# KiCad board mse-50-idc-panel.kicad_pcb (continued)
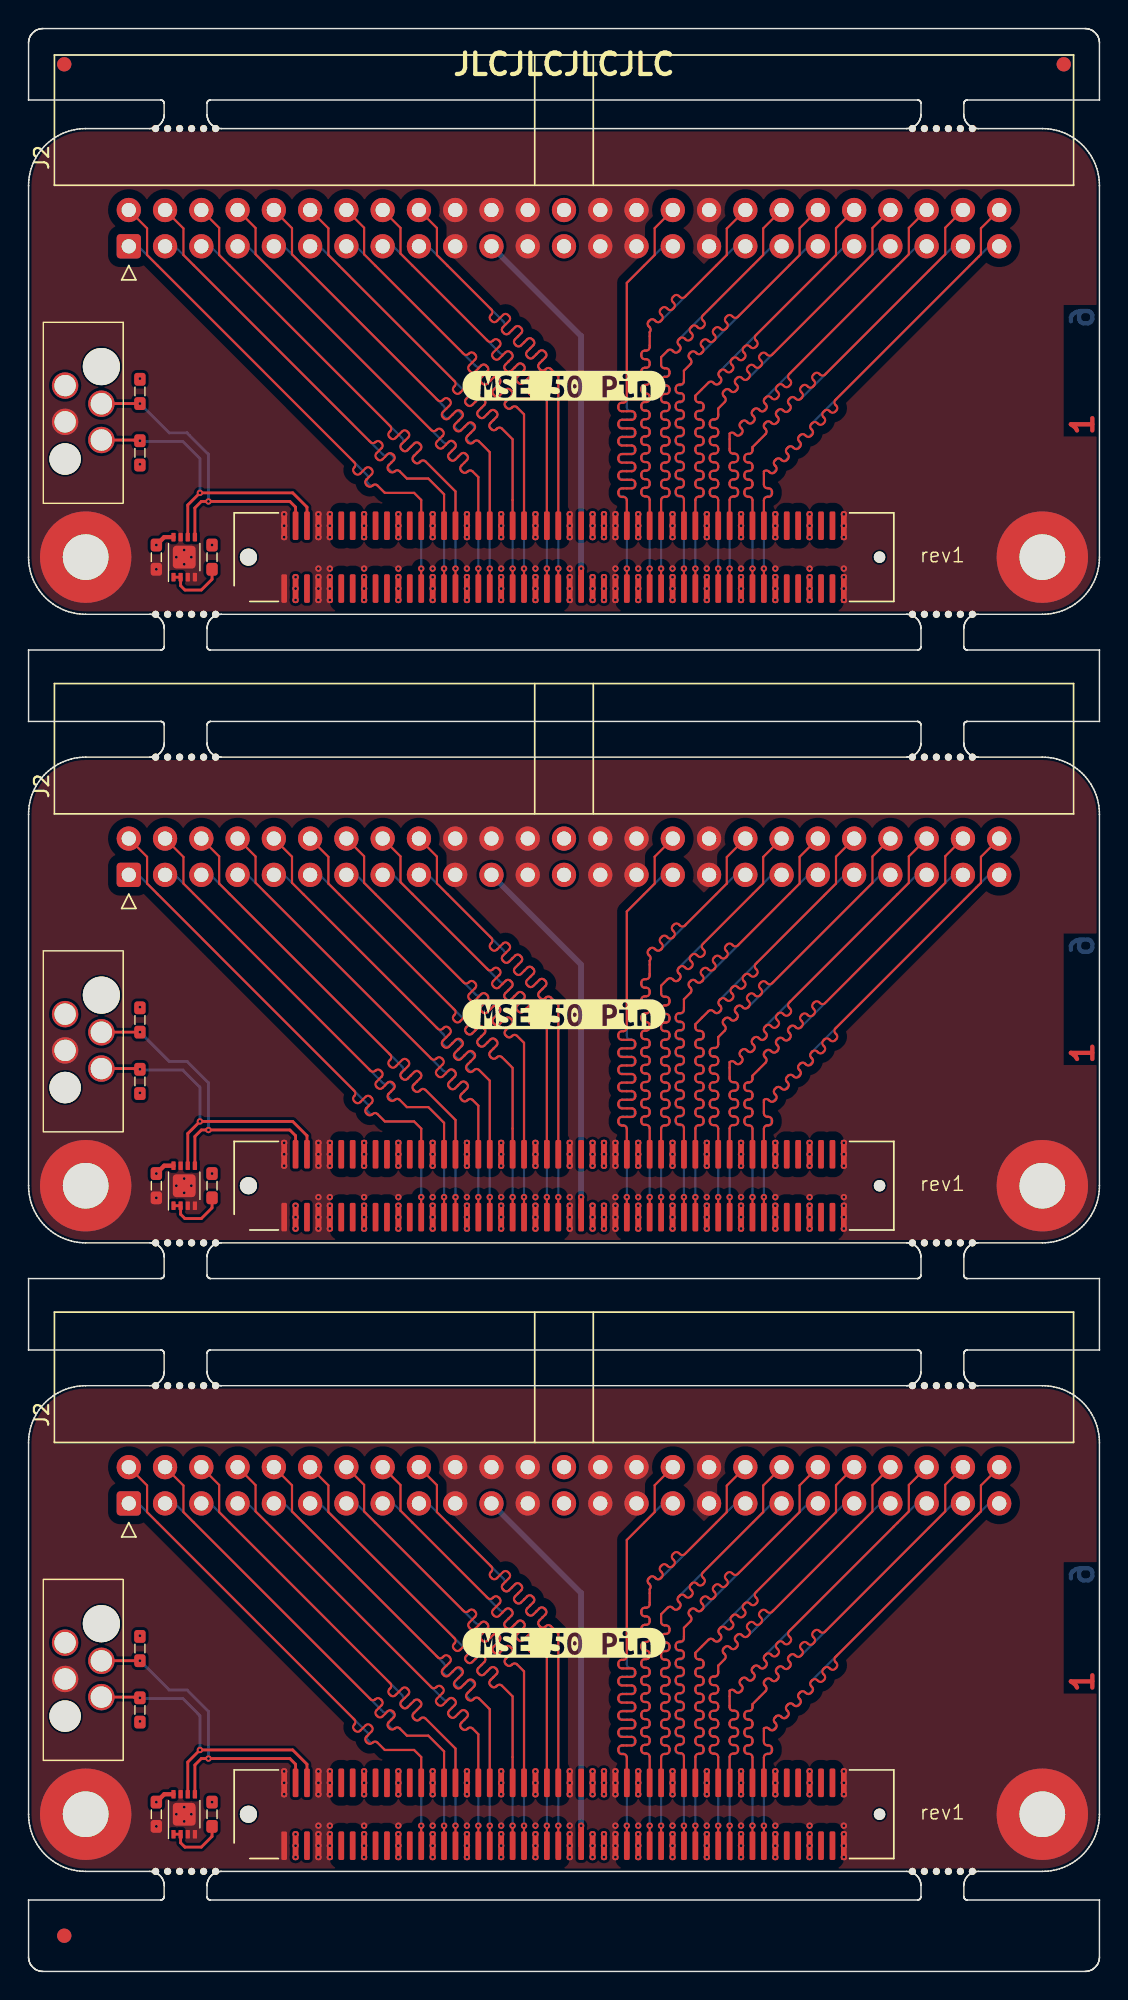
[diagram p0: board, top side]
## Routing (per net, layer and track width the routed paths; a pad name or vN(x,y) marks a point on that pad's centre or on a via; arc(x,y) is an arc through that point) (continued)
Board_0-/CON.RST+: length 34.4
  Top w0.151: J1#3.71 v1(45.9,98.2)
  Bottom w0.151: v1(45.9,98.2) 45.9,103 arc(45.83,103.17) 45.66,103.24 45.55,103.24 arc(45.38,103.31) 45.31,103.48 45.31,103.6 arc(45.38,103.77) 45.55,103.84 45.66,103.84 arc(45.83,103.91) 45.9,104.08 45.9,104.2 arc(45.83,104.37) 45.66,104.44 45.55,104.44 arc(45.38,104.51) 45.31,104.68 45.31,104.8 arc(45.38,104.97) 45.55,105.04 45.66,105.04 arc(45.83,105.11) 45.9,105.28 45.9,105.4 arc(45.83,105.57) 45.66,105.64 45.55,105.64 arc(45.38,105.71) 45.31,105.88 45.31,106 arc(45.38,106.17) 45.55,106.24 45.66,106.24 arc(45.83,106.31) 45.9,106.48 45.9,106.6 arc(45.83,106.77) 45.66,106.84 45.55,106.84 arc(45.38,106.91) 45.31,107.08 45.31,107.2 arc(45.38,107.37) 45.55,107.44 45.66,107.44 arc(45.83,107.51) 45.9,107.68 45.9,107.8 arc(45.83,107.97) 45.66,108.04 45.55,108.04 arc(45.38,108.11) 45.31,108.28 45.31,108.4 arc(45.38,108.57) 45.55,108.64 45.66,108.64 arc(45.83,108.71) 45.9,108.88 45.9,109 arc(45.83,109.17) 45.66,109.24 45.55,109.24 arc(45.38,109.31) 45.31,109.48 45.31,109.6 arc(45.38,109.77) 45.55,109.84 45.66,109.84 arc(45.83,109.91) 45.9,110.08 45.9,110.2 arc(45.83,110.37) 45.66,110.44 45.55,110.44 arc(45.38,110.51) 45.31,110.68 45.31,110.8 arc(45.38,110.97) 45.55,111.04 45.66,111.04 arc(45.83,111.11) 45.9,111.28 45.9,112.05 46.36,112.51 arc(46.43,112.68) 46.36,112.85 46.28,112.93 arc(46.21,113.1) 46.28,113.27 46.36,113.36 arc(46.53,113.43) 46.7,113.36 46.78,113.28 arc(46.95,113.2) 47.12,113.28 47.21,113.36 54.61,120.76 J2#3.39
Board_0-/CON.RST-: length 34
  Top w0.151: J2#3.40 54,122.02 54,120.15 49.67,115.82 arc(49.5,115.75) 49.33,115.82 49.26,115.89 arc(49.09,115.96) 48.92,115.89 48.84,115.8 arc(48.77,115.63) 48.84,115.46 48.91,115.4 arc(48.98,115.23) 48.91,115.06 48.82,114.97 arc(48.65,114.9) 48.48,114.97 48.42,115.04 arc(48.25,115.11) 48.08,115.04 47.99,114.95 arc(47.92,114.78) 47.99,114.61 48.06,114.55 arc(48.13,114.38) 48.06,114.21 47.97,114.12 arc(47.8,114.05) 47.63,114.12 47.57,114.19 arc(47.4,114.26) 47.23,114.19 47.14,114.1 arc(47.07,113.93) 47.14,113.76 47.21,113.7 arc(47.28,113.53) 47.21,113.36 47.12,113.28 arc(46.95,113.2) 46.78,113.28 46.72,113.34 arc(46.55,113.41) 46.38,113.34 46.29,113.26 arc(46.22,113.09) 46.29,112.92 46.36,112.85 arc(46.43,112.68) 46.36,112.51 45.9,112.05 45.9,111.33 arc(45.83,111.16) 45.66,111.09 45.57,111.09 arc(45.4,111.01) 45.33,110.85 45.33,110.73 arc(45.4,110.56) 45.57,110.49 45.66,110.49 arc(45.83,110.41) 45.9,110.25 45.9,110.13 arc(45.83,109.96) 45.66,109.89 45.57,109.89 arc(45.4,109.81) 45.33,109.65 45.33,109.53 arc(45.4,109.36) 45.57,109.29 45.66,109.29 arc(45.83,109.21) 45.9,109.05 45.9,108.93 arc(45.83,108.76) 45.66,108.69 45.57,108.69 arc(45.4,108.61) 45.33,108.45 45.33,108.33 arc(45.4,108.16) 45.57,108.09 45.66,108.09 arc(45.83,108.01) 45.9,107.85 45.9,107.73 arc(45.83,107.56) 45.66,107.49 45.57,107.49 arc(45.4,107.41) 45.33,107.25 45.33,107.13 arc(45.4,106.96) 45.57,106.89 45.66,106.89 arc(45.83,106.81) 45.9,106.65 45.9,106.53 arc(45.83,106.36) 45.66,106.29 45.57,106.29 arc(45.4,106.21) 45.33,106.05 45.33,105.93 arc(45.4,105.76) 45.57,105.69 45.66,105.69 arc(45.83,105.61) 45.9,105.45 45.9,105.33 arc(45.83,105.16) 45.66,105.09 45.57,105.09 arc(45.4,105.01) 45.33,104.85 45.33,104.73 arc(45.4,104.56) 45.57,104.49 45.66,104.49 arc(45.83,104.41) 45.9,104.25 45.9,104.13 arc(45.83,103.96) 45.66,103.89 45.57,103.89 arc(45.4,103.81) 45.33,103.65 45.33,103.53 arc(45.4,103.36) 45.57,103.29 45.66,103.29 arc(45.83,103.21) 45.9,103.05 J1#3.72
Board_0-/CON.SEL+: length 34.4
  Top w0.151: J1#3.77 v1(48.3,98.2)
  Bottom w0.151: v1(48.3,98.2) 48.3,103 arc(48.23,103.17) 48.06,103.24 47.97,103.24 arc(47.8,103.31) 47.73,103.48 47.73,103.6 arc(47.8,103.77) 47.97,103.84 48.06,103.84 arc(48.23,103.91) 48.3,104.08 48.3,104.2 arc(48.23,104.37) 48.06,104.44 47.97,104.44 arc(47.8,104.51) 47.73,104.68 47.73,104.8 arc(47.8,104.97) 47.97,105.04 48.06,105.04 arc(48.23,105.11) 48.3,105.28 48.3,105.4 arc(48.23,105.57) 48.06,105.64 47.97,105.64 arc(47.8,105.71) 47.73,105.88 47.73,106 arc(47.8,106.17) 47.97,106.24 48.06,106.24 arc(48.23,106.31) 48.3,106.48 48.3,106.6 arc(48.23,106.77) 48.06,106.84 47.97,106.84 arc(47.8,106.91) 47.73,107.08 47.73,107.2 arc(47.8,107.37) 47.97,107.44 48.06,107.44 arc(48.23,107.51) 48.3,107.68 48.3,107.8 arc(48.23,107.97) 48.06,108.04 47.97,108.04 arc(47.8,108.11) 47.73,108.28 47.73,108.4 arc(47.8,108.57) 47.97,108.64 48.06,108.64 arc(48.23,108.71) 48.3,108.88 48.3,109.4 48.76,109.86 arc(48.83,110.03) 48.76,110.2 48.7,110.26 arc(48.63,110.43) 48.7,110.6 48.78,110.69 arc(48.95,110.76) 49.12,110.69 49.18,110.63 arc(49.35,110.55) 49.52,110.63 49.61,110.71 arc(49.68,110.88) 49.61,111.05 49.55,111.11 arc(49.48,111.28) 49.55,111.45 49.63,111.54 arc(49.8,111.61) 49.97,111.54 50.03,111.47 arc(50.2,111.4) 50.37,111.47 50.46,111.56 59.66,120.76 J2#3.43
Board_0-/CON.SEL-: length 34
  Top w0.151: J2#3.44 59.1,122.04 59.1,120.2 52.15,113.26 52.07,113.17 arc(51.9,113.1) 51.73,113.17 51.65,113.25 arc(51.48,113.32) 51.31,113.25 51.23,113.17 arc(51.16,113) 51.23,112.83 51.31,112.75 arc(51.38,112.58) 51.31,112.41 51.22,112.32 arc(51.05,112.25) 50.88,112.32 50.8,112.4 arc(50.63,112.47) 50.46,112.4 50.38,112.32 arc(50.31,112.15) 50.38,111.98 50.46,111.9 arc(50.53,111.73) 50.46,111.56 50.37,111.47 arc(50.2,111.4) 50.03,111.47 49.95,111.55 arc(49.78,111.62) 49.61,111.55 49.53,111.47 arc(49.46,111.3) 49.53,111.13 49.61,111.05 arc(49.68,110.88) 49.61,110.71 49.52,110.63 arc(49.35,110.55) 49.18,110.63 49.1,110.7 arc(48.94,110.77) 48.77,110.7 48.68,110.62 arc(48.61,110.45) 48.68,110.28 48.76,110.2 arc(48.83,110.03) 48.76,109.86 48.3,109.4 48.3,108.89 arc(48.23,108.72) 48.06,108.65 47.95,108.65 arc(47.78,108.57) 47.71,108.41 47.71,108.29 arc(47.78,108.12) 47.95,108.05 48.06,108.05 arc(48.23,107.97) 48.3,107.81 48.3,107.69 arc(48.23,107.52) 48.06,107.45 47.95,107.45 arc(47.78,107.37) 47.71,107.21 47.71,107.09 arc(47.78,106.92) 47.95,106.85 48.06,106.85 arc(48.23,106.77) 48.3,106.61 48.3,106.49 arc(48.23,106.32) 48.06,106.25 47.95,106.25 arc(47.78,106.17) 47.71,106.01 47.71,105.89 arc(47.78,105.72) 47.95,105.65 48.06,105.65 arc(48.23,105.57) 48.3,105.41 48.3,105.29 arc(48.23,105.12) 48.06,105.05 47.95,105.05 arc(47.78,104.97) 47.71,104.81 47.71,104.69 arc(47.78,104.52) 47.95,104.45 48.06,104.45 arc(48.23,104.37) 48.3,104.21 48.3,104.09 arc(48.23,103.92) 48.06,103.85 47.95,103.85 arc(47.78,103.77) 47.71,103.61 47.71,103.49 arc(47.78,103.32) 47.95,103.25 48.06,103.25 arc(48.23,103.17) 48.3,103.01 J1#3.78
Board_0-/CON.TERMPWR:
  vias: v1(39.5,102) v1(39.5,101.2) v1(39.5,100.4) v1(39.5,97.6) v1(39.5,96.8) v1(39.5,96) v1(40.3,102) v1(40.3,101.2) v1(40.3,100.4) v1(40.3,97.6) v1(40.3,96.8) v1(40.3,96)
Board_0-/PHY.ID_SCL: length 22.5
  Top w0.2: U1.6 11.15,102.65 v1(12,103.5) 18.5,103.5 19.5,102.5 J1#3.6 ; J3#2.4 7.4,107.2 7.45,107.15 v1(7.8,107.15)
  Bottom w0.2: v1(7.8,107.15) 7.85,107.1 10.8,107.1 12,105.9 v1(12,103.5)
Board_0-/PHY.ID_SDA: length 23
  Top w0.2: J1#3.4 18.7,102.5 18.3,102.9 12.1,102.9 11.65,102.45 U1.5 ; v1(7.8,109.75) 5.11,109.75 J3#2.2
  Bottom w0.2: v1(7.8,109.75) 9.85,107.7 11.1,107.7 12.6,106.2 v1(12.6,102.9)
Board_0-GND:
  vias: v1(8.95,98.15) v1(10.35,99) v1(10.9,99.5) v1(10.9,98.5) v1(11.4,99) v1(17.9,102) v1(17.9,101.2) v1(17.9,100.4) v1(20.3,102) v1(20.3,101.2) v1(20.3,100.4) v1(20.3,98.2) v1(20.3,97.6) v1(20.3,96.8) v1(20.3,96) v1(21.1,102) v1(21.1,101.2) v1(21.1,100.4) v1(21.1,98.2) v1(21.1,97.6) v1(21.1,96.8) v1(21.1,96) v1(23.5,102) v1(23.5,101.2) v1(23.5,100.4) v1(23.5,98.2) v1(23.5,97.6) v1(23.5,96.8) v1(23.5,96) v1(25.9,102) v1(25.9,101.2) v1(25.9,100.4) v1(25.9,98.2) v1(25.9,97.6) v1(25.9,96.8) v1(25.9,96) v1(28.3,102) v1(28.3,101.2) v1(28.3,100.4) v1(28.3,98.2) v1(28.3,97.6) v1(28.3,96.8) v1(28.3,96) v1(30.7,102) v1(30.7,101.2) v1(30.7,100.4) v1(30.7,98.2) v1(30.7,97.6) v1(30.7,96.8) v1(30.7,96) v1(33.1,102) v1(33.1,101.2) v1(33.1,100.4) v1(33.1,98.2) v1(33.1,97.6) v1(33.1,96.8) v1(33.1,96) v1(35.5,102) v1(35.5,101.2) v1(35.5,100.4) v1(35.5,98.2) v1(35.5,97.6) v1(35.5,96.8) v1(35.5,96) v1(37.9,102) v1(37.9,101.2) v1(37.9,100.4) v1(37.9,98.2) v1(37.9,97.6) v1(37.9,96.8) v1(37.9,96) v1(41.1,102) v1(41.1,101.2) v1(41.1,100.4) v1(41.1,98.2) v1(41.1,97.6) v1(41.1,96.8) v1(41.1,96) v1(42.7,102) v1(42.7,101.2) v1(42.7,100.4) v1(42.7,98.2) v1(42.7,97.6) v1(42.7,96.8) v1(42.7,96) v1(45.1,102) v1(45.1,101.2) v1(45.1,100.4) v1(45.1,98.2) v1(45.1,97.6) v1(45.1,96.8) v1(45.1,96) v1(47.5,102) v1(47.5,101.2) v1(47.5,100.4) v1(47.5,98.2) v1(47.5,97.6) v1(47.5,96.8) v1(47.5,96) v1(49.9,102) v1(49.9,101.2) v1(49.9,100.4) v1(49.9,98.2) v1(49.9,97.6) v1(49.9,96.8) v1(49.9,96) v1(52.3,102) v1(52.3,101.2) v1(52.3,100.4) v1(52.3,98.2) v1(52.3,97.6) v1(52.3,96.8) v1(52.3,96) v1(54.7,102) v1(54.7,101.2) v1(54.7,100.4) v1(54.7,98.2) v1(54.7,97.6) v1(54.7,96.8) v1(54.7,96) v1(57.1,102) v1(57.1,101.2) v1(57.1,100.4) v1(57.1,98.2) v1(57.1,97.6) v1(57.1,96.8) v1(57.1,96)
Board_0-Net-(U1-E0): length 4.4
  Top w0.2: U1.1 U1.2 10.65,97 10.95,96.7 12.1,96.7 12.85,97.45 R1#3.1
Board_1-+3V3: length 1.4
  Top w0.3: v1(8.95,55.85) 9.5,56.4 U1#2.8
  vias: v1(7.8,67.5) v1(7.8,61.5) v1(12.85,55.85) v1(18.7,53.6) v1(18.7,52.8) v1(18.7,52)
Board_1-/CON.ACK+: length 34.4
  Top w0.151: J1#2.67 v1(44.3,54.2)
  Bottom w0.151: J2#2.37 52.06,76.76 45.61,70.31 45.52,70.23 arc(45.45,70.06) 45.52,69.89 45.59,69.82 arc(45.66,69.65) 45.59,69.48 45.5,69.4 arc(45.33,69.33) 45.16,69.4 45.1,69.46 arc(44.93,69.53) 44.76,69.46 44.3,69 44.3,68.48 arc(44.37,68.31) 44.54,68.24 44.63,68.24 arc(44.8,68.17) 44.87,68 44.87,67.88 arc(44.8,67.71) 44.63,67.64 44.54,67.64 arc(44.37,67.57) 44.3,67.4 44.3,67.28 arc(44.37,67.11) 44.54,67.04 44.63,67.04 arc(44.8,66.97) 44.87,66.8 44.87,66.68 arc(44.8,66.51) 44.63,66.44 44.54,66.44 arc(44.37,66.37) 44.3,66.2 44.3,66.08 arc(44.37,65.91) 44.54,65.84 44.63,65.84 arc(44.8,65.77) 44.87,65.6 44.87,65.48 arc(44.8,65.31) 44.63,65.24 44.54,65.24 arc(44.37,65.17) 44.3,65 44.3,64.88 arc(44.37,64.71) 44.54,64.64 44.63,64.64 arc(44.8,64.57) 44.87,64.4 44.87,64.28 arc(44.8,64.11) 44.63,64.04 44.54,64.04 arc(44.37,63.97) 44.3,63.8 44.3,63.68 arc(44.37,63.51) 44.54,63.44 44.63,63.44 arc(44.8,63.37) 44.87,63.2 44.87,63.08 arc(44.8,62.91) 44.63,62.84 44.54,62.84 arc(44.37,62.77) 44.3,62.6 44.3,62.48 arc(44.37,62.31) 44.54,62.24 44.63,62.24 arc(44.8,62.17) 44.87,62 44.87,61.88 arc(44.8,61.71) 44.63,61.64 44.54,61.64 arc(44.37,61.57) 44.3,61.4 44.3,61.28 arc(44.37,61.11) 44.54,61.04 44.63,61.04 arc(44.8,60.97) 44.87,60.8 44.87,60.68 arc(44.8,60.51) 44.63,60.44 44.54,60.44 arc(44.37,60.37) 44.3,60.2 44.3,60.08 arc(44.37,59.91) 44.54,59.84 44.63,59.84 arc(44.8,59.77) 44.87,59.6 44.87,59.48 arc(44.8,59.31) 44.63,59.24 44.54,59.24 arc(44.37,59.17) 44.3,59 v1(44.3,54.2)
Board_1-/CON.ACK-: length 34
  Top w0.151: J1#2.68 44.3,58.98 arc(44.37,59.15) 44.54,59.22 44.65,59.22 arc(44.82,59.29) 44.89,59.46 44.89,59.58 arc(44.82,59.75) 44.65,59.82 44.54,59.82 arc(44.37,59.89) 44.3,60.06 44.3,60.18 arc(44.37,60.35) 44.54,60.42 44.65,60.42 arc(44.82,60.49) 44.89,60.66 44.89,60.78 arc(44.82,60.95) 44.65,61.02 44.54,61.02 arc(44.37,61.09) 44.3,61.26 44.3,61.38 arc(44.37,61.55) 44.54,61.62 44.65,61.62 arc(44.82,61.69) 44.89,61.86 44.89,61.98 arc(44.82,62.15) 44.65,62.22 44.54,62.22 arc(44.37,62.29) 44.3,62.46 44.3,62.58 arc(44.37,62.75) 44.54,62.82 44.65,62.82 arc(44.82,62.89) 44.89,63.06 44.89,63.18 arc(44.82,63.35) 44.65,63.42 44.54,63.42 arc(44.37,63.49) 44.3,63.66 44.3,63.78 arc(44.37,63.95) 44.54,64.02 44.65,64.02 arc(44.82,64.09) 44.89,64.26 44.89,64.38 arc(44.82,64.55) 44.65,64.62 44.54,64.62 arc(44.37,64.69) 44.3,64.86 44.3,64.98 arc(44.37,65.15) 44.54,65.22 44.65,65.22 arc(44.82,65.29) 44.89,65.46 44.89,65.58 arc(44.82,65.75) 44.65,65.82 44.54,65.82 arc(44.37,65.89) 44.3,66.06 44.3,66.18 arc(44.37,66.35) 44.54,66.42 44.65,66.42 arc(44.82,66.49) 44.89,66.66 44.89,66.78 arc(44.82,66.95) 44.65,67.02 44.54,67.02 arc(44.37,67.09) 44.3,67.26 44.3,67.38 arc(44.37,67.55) 44.54,67.62 44.65,67.62 arc(44.82,67.69) 44.89,67.86 44.89,67.98 arc(44.82,68.15) 44.65,68.22 44.54,68.22 arc(44.37,68.29) 44.3,68.46 44.3,69 44.76,69.46 arc(44.93,69.53) 45.1,69.46 45.18,69.38 arc(45.35,69.31) 45.52,69.38 45.6,69.47 arc(45.67,69.64) 45.6,69.81 45.52,69.89 arc(45.45,70.06) 45.52,70.23 45.61,70.31 arc(45.78,70.38) 45.95,70.31 46.03,70.23 arc(46.19,70.16) 46.36,70.23 46.45,70.32 arc(46.52,70.49) 46.45,70.66 46.37,70.73 arc(46.3,70.9) 46.37,71.07 46.46,71.16 arc(46.63,71.23) 46.8,71.16 46.87,71.08 arc(47.04,71.01) 47.21,71.08 47.3,71.17 arc(47.37,71.34) 47.3,71.51 47.22,71.58 arc(47.15,71.75) 47.22,71.92 47.31,72.01 51.45,76.15 51.45,78.01 J2#2.38
Board_1-/CON.ATN+: length 34.4
  Top w0.151: J1#2.61 v1(41.9,54.2)
  Bottom w0.151: J2#2.31 44.46,76.76 41.9,74.2 41.9,65.48 arc(41.97,65.31) 42.14,65.24 42.21,65.24 arc(42.38,65.17) 42.45,65 42.45,64.88 arc(42.38,64.71) 42.21,64.64 41.59,64.64 arc(41.42,64.57) 41.35,64.4 41.35,64.28 arc(41.42,64.11) 41.59,64.04 42.21,64.04 arc(42.38,63.97) 42.45,63.8 42.45,63.68 arc(42.38,63.51) 42.21,63.44 41.59,63.44 arc(41.42,63.37) 41.35,63.2 41.35,63.08 arc(41.42,62.91) 41.59,62.84 42.21,62.84 arc(42.38,62.77) 42.45,62.6 42.45,62.48 arc(42.38,62.31) 42.21,62.24 41.59,62.24 arc(41.42,62.17) 41.35,62 41.35,61.88 arc(41.42,61.71) 41.59,61.64 42.21,61.64 arc(42.38,61.57) 42.45,61.4 42.45,61.28 arc(42.38,61.11) 42.21,61.04 41.59,61.04 arc(41.42,60.97) 41.35,60.8 41.35,60.68 arc(41.42,60.51) 41.59,60.44 42.21,60.44 arc(42.38,60.37) 42.45,60.2 42.45,60.08 arc(42.38,59.91) 42.21,59.84 41.59,59.84 arc(41.42,59.77) 41.35,59.6 41.35,59.48 arc(41.42,59.31) 41.59,59.24 41.66,59.24 arc(41.83,59.17) 41.9,59 v1(41.9,54.2)
Board_1-/CON.ATN-: length 34
  Top w0.151: J1#2.62 41.9,58.97 arc(41.83,59.14) 41.66,59.21 41.55,59.21 arc(41.38,59.28) 41.31,59.45 41.31,59.57 arc(41.38,59.74) 41.55,59.81 42.25,59.81 arc(42.42,59.88) 42.49,60.05 42.49,60.17 arc(42.42,60.34) 42.25,60.41 41.55,60.41 arc(41.38,60.48) 41.31,60.65 41.31,60.77 arc(41.38,60.94) 41.55,61.01 42.25,61.01 arc(42.42,61.08) 42.49,61.25 42.49,61.37 arc(42.42,61.54) 42.25,61.61 41.55,61.61 arc(41.38,61.68) 41.31,61.85 41.31,61.97 arc(41.38,62.14) 41.55,62.21 42.25,62.21 arc(42.42,62.28) 42.49,62.45 42.49,62.57 arc(42.42,62.74) 42.25,62.81 41.55,62.81 arc(41.38,62.88) 41.31,63.05 41.31,63.17 arc(41.38,63.34) 41.55,63.41 42.25,63.41 arc(42.42,63.48) 42.49,63.65 42.49,63.77 arc(42.42,63.94) 42.25,64.01 41.55,64.01 arc(41.38,64.08) 41.31,64.25 41.31,64.37 arc(41.38,64.54) 41.55,64.61 42.25,64.61 arc(42.42,64.68) 42.49,64.85 42.49,64.97 arc(42.42,65.14) 42.25,65.21 41.55,65.21 arc(41.38,65.28) 41.31,65.45 41.31,65.57 arc(41.38,65.74) 41.55,65.81 41.66,65.81 arc(41.83,65.88) 41.9,66.05 41.9,74.2 43.85,76.15 43.85,78.03 J2#2.32
Board_1-/CON.BSY+: length 34.4
  Top w0.151: J1#2.65 v1(43.5,54.2)
  Bottom w0.151: v1(43.5,54.2) 43.5,59.03 arc(43.43,59.2) 43.26,59.27 43.17,59.27 arc(43,59.34) 42.93,59.51 42.93,59.63 arc(43,59.8) 43.17,59.87 43.26,59.87 arc(43.43,59.94) 43.5,60.11 43.5,60.23 arc(43.43,60.4) 43.26,60.47 43.17,60.47 arc(43,60.54) 42.93,60.71 42.93,60.83 arc(43,61) 43.17,61.07 43.26,61.07 arc(43.43,61.14) 43.5,61.31 43.5,61.43 arc(43.43,61.6) 43.26,61.67 43.17,61.67 arc(43,61.74) 42.93,61.91 42.93,62.03 arc(43,62.2) 43.17,62.27 43.26,62.27 arc(43.43,62.34) 43.5,62.51 43.5,62.63 arc(43.43,62.8) 43.26,62.87 43.17,62.87 arc(43,62.94) 42.93,63.11 42.93,63.23 arc(43,63.4) 43.17,63.47 43.26,63.47 arc(43.43,63.54) 43.5,63.71 43.5,63.83 arc(43.43,64) 43.26,64.07 43.17,64.07 arc(43,64.14) 42.93,64.31 42.93,64.43 arc(43,64.6) 43.17,64.67 43.26,64.67 arc(43.43,64.74) 43.5,64.91 43.5,65.03 arc(43.43,65.2) 43.26,65.27 43.17,65.27 arc(43,65.34) 42.93,65.51 42.93,65.63 arc(43,65.8) 43.17,65.87 43.26,65.87 arc(43.43,65.94) 43.5,66.11 43.5,66.23 arc(43.43,66.4) 43.26,66.47 43.17,66.47 arc(43,66.54) 42.93,66.71 42.93,66.83 arc(43,67) 43.17,67.07 43.26,67.07 arc(43.43,67.14) 43.5,67.31 43.5,67.43 arc(43.43,67.6) 43.26,67.67 43.17,67.67 arc(43,67.74) 42.93,67.91 42.93,68.03 arc(43,68.2) 43.17,68.27 43.26,68.27 arc(43.43,68.34) 43.5,68.51 43.5,68.63 arc(43.43,68.8) 43.26,68.87 43.17,68.87 arc(43,68.94) 42.93,69.11 42.93,69.23 arc(43,69.4) 43.17,69.47 43.26,69.47 arc(43.43,69.54) 43.5,69.71 43.5,70.75 arc(43.57,70.92) 43.5,71.09 43.44,71.16 arc(43.37,71.33) 43.44,71.49 43.52,71.58 arc(43.69,71.65) 43.86,71.58 43.92,71.52 arc(44.09,71.45) 44.26,71.52 49.51,76.76 J2#2.35
Board_1-/CON.BSY-: length 34
  Top w0.151: J1#2.66 43.5,59.02 arc(43.43,59.19) 43.26,59.26 43.15,59.26 arc(42.98,59.33) 42.91,59.5 42.91,59.62 arc(42.98,59.79) 43.15,59.86 43.26,59.86 arc(43.43,59.93) 43.5,60.1 43.5,60.22 arc(43.43,60.39) 43.26,60.46 43.15,60.46 arc(42.98,60.53) 42.91,60.7 42.91,60.82 arc(42.98,60.99) 43.15,61.06 43.26,61.06 arc(43.43,61.13) 43.5,61.3 43.5,61.42 arc(43.43,61.59) 43.26,61.66 43.15,61.66 arc(42.98,61.73) 42.91,61.9 42.91,62.02 arc(42.98,62.19) 43.15,62.26 43.26,62.26 arc(43.43,62.33) 43.5,62.5 43.5,62.62 arc(43.43,62.79) 43.26,62.86 43.15,62.86 arc(42.98,62.93) 42.91,63.1 42.91,63.22 arc(42.98,63.39) 43.15,63.46 43.26,63.46 arc(43.43,63.53) 43.5,63.7 43.5,63.82 arc(43.43,63.99) 43.26,64.06 43.15,64.06 arc(42.98,64.13) 42.91,64.3 42.91,64.42 arc(42.98,64.59) 43.15,64.66 43.26,64.66 arc(43.43,64.73) 43.5,64.9 43.5,65.02 arc(43.43,65.19) 43.26,65.26 43.15,65.26 arc(42.98,65.33) 42.91,65.5 42.91,65.62 arc(42.98,65.79) 43.15,65.86 43.26,65.86 arc(43.43,65.93) 43.5,66.1 43.5,66.22 arc(43.43,66.39) 43.26,66.46 43.15,66.46 arc(42.98,66.53) 42.91,66.7 42.91,66.82 arc(42.98,66.99) 43.15,67.06 43.26,67.06 arc(43.43,67.13) 43.5,67.3 43.5,67.42 arc(43.43,67.59) 43.26,67.66 43.15,67.66 arc(42.98,67.73) 42.91,67.9 42.91,68.02 arc(42.98,68.19) 43.15,68.26 43.26,68.26 arc(43.43,68.33) 43.5,68.5 43.5,68.62 arc(43.43,68.79) 43.26,68.86 43.15,68.86 arc(42.98,68.93) 42.91,69.1 42.91,69.22 arc(42.98,69.39) 43.15,69.46 43.26,69.46 arc(43.43,69.53) 43.5,69.7 43.5,70.75 arc(43.57,70.92) 43.5,71.09 43.42,71.17 arc(43.35,71.34) 43.42,71.51 43.51,71.59 arc(43.68,71.66) 43.85,71.59 43.92,71.52 arc(44.09,71.45) 44.26,71.52 44.35,71.6 arc(44.42,71.77) 44.35,71.94 44.27,72.02 arc(44.2,72.19) 44.27,72.36 44.36,72.44 arc(44.53,72.51) 44.7,72.44 44.77,72.36 arc(44.94,72.29) 45.11,72.36 45.2,72.45 arc(45.27,72.62) 45.2,72.79 45.12,72.86 arc(45.05,73.03) 45.12,73.2 45.21,73.29 arc(45.38,73.36) 45.55,73.29 45.62,73.21 arc(45.79,73.14) 45.96,73.21 48.9,76.15 48.9,78 J2#2.36
Board_1-/CON.C/D+: length 34.4
  Top w0.151: J1#2.79 v1(49.1,54.2)
  Bottom w0.151: J2#2.45 62.21,76.76 51.65,66.2 51.56,66.11 arc(51.49,65.94) 51.56,65.77 51.62,65.71 arc(51.69,65.54) 51.62,65.37 51.54,65.29 arc(51.37,65.22) 51.2,65.29 51.14,65.35 arc(50.97,65.42) 50.8,65.35 50.71,65.26 arc(50.64,65.09) 50.71,64.92 50.77,64.86 arc(50.84,64.69) 50.77,64.52 50.69,64.44 arc(50.52,64.37) 50.35,64.44 50.29,64.5 arc(50.12,64.57) 49.95,64.5 49.86,64.42 arc(49.79,64.25) 49.86,64.08 49.93,64.01 arc(50,63.84) 49.93,63.67 49.84,63.59 arc(49.67,63.52) 49.5,63.59 49.44,63.65 arc(49.27,63.72) 49.1,63.65 49.1,62.47 arc(49.17,62.3) 49.34,62.23 49.43,62.23 arc(49.6,62.16) 49.67,61.99 49.67,61.87 arc(49.6,61.7) 49.43,61.63 49.34,61.63 arc(49.17,61.56) 49.1,61.39 49.1,61.27 arc(49.17,61.1) 49.34,61.03 49.43,61.03 arc(49.6,60.96) 49.67,60.79 49.67,60.67 arc(49.6,60.5) 49.43,60.43 49.34,60.43 arc(49.17,60.36) 49.1,60.19 49.1,60.07 arc(49.17,59.9) 49.34,59.83 49.43,59.83 arc(49.6,59.76) 49.67,59.59 49.67,59.47 arc(49.6,59.3) 49.43,59.23 49.34,59.23 arc(49.17,59.16) 49.1,58.99 v1(49.1,54.2)
Board_1-/CON.C/D-: length 34
  Top w0.151: J1#2.80 49.1,59.01 arc(49.17,59.18) 49.34,59.25 49.46,59.25 arc(49.62,59.32) 49.7,59.49 49.7,59.61 arc(49.62,59.78) 49.46,59.85 49.34,59.85 arc(49.17,59.92) 49.1,60.09 49.1,60.21 arc(49.17,60.38) 49.34,60.45 49.46,60.45 arc(49.62,60.52) 49.7,60.69 49.7,60.81 arc(49.62,60.98) 49.46,61.05 49.34,61.05 arc(49.17,61.12) 49.1,61.29 49.1,61.41 arc(49.17,61.58) 49.34,61.65 49.46,61.65 arc(49.62,61.72) 49.7,61.89 49.7,62.01 arc(49.62,62.18) 49.46,62.25 49.34,62.25 arc(49.17,62.32) 49.1,62.49 49.1,63.65 arc(49.27,63.72) 49.44,63.65 49.52,63.57 arc(49.69,63.5) 49.86,63.57 49.95,63.66 arc(50.02,63.83) 49.95,63.99 49.86,64.08 arc(49.79,64.25) 49.86,64.42 49.95,64.5 arc(50.12,64.57) 50.29,64.5 50.37,64.42 arc(50.54,64.35) 50.71,64.42 50.79,64.5 arc(50.86,64.67) 50.79,64.84 50.71,64.92 arc(50.64,65.09) 50.71,65.26 50.8,65.35 arc(50.97,65.42) 51.14,65.35 51.22,65.27 arc(51.39,65.2) 51.56,65.27 51.64,65.35 arc(51.71,65.52) 51.64,65.69 51.56,65.77 arc(51.49,65.94) 51.56,66.11 51.65,66.2 arc(51.82,66.27) 51.98,66.2 52.07,66.12 arc(52.24,66.05) 52.41,66.12 52.49,66.2 arc(52.56,66.37) 52.49,66.54 52.41,66.62 arc(52.34,66.79) 52.41,66.96 52.49,67.05 arc(52.66,67.12) 52.83,67.05 52.91,66.96 arc(53.08,66.89) 53.25,66.96 53.34,67.05 arc(53.41,67.22) 53.34,67.39 53.26,67.47 arc(53.19,67.64) 53.26,67.81 53.34,67.89 61.65,76.2 61.65,78.05 J2#2.46
Board_1-/CON.DB0+: length 34.4
  Top w0.151: J1#2.25 v1(27.5,54.2)
  Bottom w0.151: J2#2.1 7.69,76.76 23.56,60.89 23.73,60.72 arc(23.79,60.59) 23.73,60.47 arc(23.68,60.35) 23.73,60.22 23.91,60.05 arc(24.03,59.99) 24.16,60.05 arc(24.28,60.1) 24.41,60.05 24.95,59.5 27,59.5 27.5,59 v1(27.5,54.2)
Board_1-/CON.DB0-: length 34
  Top w0.151: J1#2.26 27.5,59 27,59.5 24.95,59.5 24.43,60.02 arc(24.26,60.09) 24.09,60.02 24.07,60 arc(23.9,59.93) 23.73,60 23.65,60.08 arc(23.58,60.25) 23.65,60.42 24.03,60.81 arc(24.1,60.98) 24.03,61.15 23.95,61.23 arc(23.78,61.3) 23.61,61.23 23.22,60.84 arc(23.05,60.77) 22.88,60.84 22.8,60.93 arc(22.73,61.1) 22.8,61.27 22.82,61.29 arc(22.89,61.46) 22.82,61.63 22.74,61.72 8.3,76.15 8.3,78.02 J2#2.2
Board_1-/CON.DB1+: length 34.4
  Top w0.151: J1#2.29 v1(29.1,54.2)
  Bottom w0.151: J2#2.3 10.24,76.76 24.7,62.3 24.81,62.19 arc(24.96,62.13) 25.1,62.19 arc(25.24,62.25) 25.39,62.19 25.53,62.05 arc(25.58,61.91) 25.53,61.76 25.24,61.48 arc(25.18,61.33) 25.24,61.19 25.4,61.03 arc(25.55,60.97) 25.69,61.03 arc(25.83,61.09) 25.98,61.03 26.5,60.5 28,60.5 29.1,59.4 v1(29.1,54.2)
Board_1-/CON.DB1-: length 34
  Top w0.151: J1#2.30 29.1,59.4 28,60.5 26.5,60.5 25.99,61.01 arc(25.82,61.08) 25.65,61.01 25.63,61 arc(25.46,60.93) 25.3,61 25.21,61.08 arc(25.14,61.25) 25.21,61.42 25.58,61.79 arc(25.65,61.96) 25.58,62.13 25.49,62.22 arc(25.32,62.29) 25.15,62.22 24.79,61.85 arc(24.62,61.78) 24.45,61.85 24.36,61.93 arc(24.29,62.1) 24.36,62.27 24.73,62.64 arc(24.8,62.81) 24.73,62.98 24.64,63.06 arc(24.47,63.13) 24.3,63.06 24.29,63.05 arc(24.12,62.98) 23.95,63.05 23.87,63.14 10.85,76.15 10.85,78.01 J2#2.4
Board_1-/CON.DB2+: length 34.4
  Top w0.151: J1#2.31 v1(29.9,54.2)
  Bottom w0.151: v1(29.9,54.2) 29.9,59.6 27.79,61.72 arc(27.62,61.79) 27.45,61.72 27.37,61.64 arc(27.2,61.57) 27.03,61.64 26.94,61.72 arc(26.87,61.89) 26.94,62.06 27.44,62.56 arc(27.51,62.73) 27.44,62.9 27.36,62.98 arc(27.19,63.05) 27.02,62.98 26.52,62.49 arc(26.35,62.42) 26.18,62.49 26.09,62.57 arc(26.02,62.74) 26.09,62.91 26.17,62.99 arc(26.24,63.16) 26.17,63.33 26.09,63.41 12.74,76.76 J2#2.5
Board_1-/CON.DB2-: length 34
  Top w0.151: J2#2.6 13.35,78.05 13.35,76.15 25.25,64.25 25.34,64.17 arc(25.41,64) 25.34,63.83 25.27,63.75 arc(25.2,63.59) 25.27,63.42 25.35,63.33 arc(25.52,63.26) 25.69,63.33 26.17,63.81 arc(26.34,63.88) 26.51,63.81 26.6,63.73 arc(26.67,63.56) 26.6,63.39 26.11,62.91 arc(26.04,62.74) 26.11,62.57 26.2,62.48 arc(26.37,62.41) 26.54,62.48 27.02,62.96 arc(27.19,63.03) 27.36,62.96 27.44,62.88 arc(27.51,62.71) 27.44,62.54 26.96,62.06 arc(26.89,61.89) 26.96,61.72 27.05,61.63 arc(27.22,61.56) 27.39,61.63 27.46,61.7 arc(27.63,61.77) 27.8,61.7 29.9,59.6 J1#2.32
Board_1-/CON.DB3+: length 34.4
  Top w0.151: J1#2.35 v1(31.5,54.2)
  Bottom w0.151: J2#2.7 15.34,76.76 28.98,63.12 29.06,63.04 arc(29.23,62.97) 29.4,63.04 29.42,63.06 arc(29.59,63.13) 29.76,63.06 29.85,62.98 arc(29.92,62.81) 29.85,62.64 29.46,62.25 arc(29.39,62.08) 29.46,61.91 29.55,61.83 arc(29.72,61.76) 29.89,61.83 30.27,62.21 arc(30.44,62.29) 30.61,62.21 30.7,62.13 arc(30.77,61.96) 30.7,61.79 30.31,61.4 arc(30.24,61.24) 30.31,61.07 30.4,60.98 arc(30.57,60.91) 30.74,60.98 30.76,61 arc(30.93,61.07) 31.1,61 31.5,60.6 v1(31.5,54.2)
Board_1-/CON.DB3-: length 34
  Top w0.151: J1#2.36 31.5,60.6 31.1,61.01 arc(30.93,61.08) 30.76,61.01 30.72,60.97 arc(30.55,60.9) 30.38,60.97 30.29,61.05 arc(30.22,61.22) 30.29,61.39 30.71,61.81 arc(30.78,61.98) 30.71,62.15 30.62,62.23 arc(30.45,62.3) 30.29,62.23 29.87,61.82 arc(29.7,61.75) 29.53,61.82 29.45,61.9 arc(29.38,62.07) 29.45,62.24 29.86,62.66 arc(29.93,62.83) 29.86,63 29.78,63.08 arc(29.61,63.15) 29.44,63.08 29.02,62.67 arc(28.85,62.6) 28.68,62.67 28.6,62.75 arc(28.53,62.92) 28.6,63.09 29.01,63.5 arc(29.08,63.67) 29.01,63.84 28.93,63.93 arc(28.76,64) 28.59,63.93 28.55,63.89 arc(28.38,63.82) 28.21,63.89 28.13,63.98 15.9,76.2 15.9,78.04 J2#2.8
Board_1-/CON.DB4+: length 34.4
  Top w0.151: J1#2.37 v1(32.3,54.2)
  Bottom w0.151: J2#2.9 17.89,76.76 29,65.66 29.08,65.57 arc(29.15,65.4) 29.08,65.23 29.06,65.22 arc(28.99,65.05) 29.06,64.88 29.15,64.79 arc(29.32,64.72) 29.49,64.79 29.86,65.16 arc(30.03,65.23) 30.2,65.16 30.28,65.08 arc(30.35,64.91) 30.28,64.74 29.91,64.37 arc(29.84,64.2) 29.91,64.03 30,63.94 arc(30.17,63.87) 30.34,63.94 30.71,64.31 arc(30.88,64.38) 31.05,64.31 31.13,64.23 arc(31.2,64.06) 31.13,63.89 30.76,63.52 arc(30.69,63.35) 30.76,63.18 30.85,63.1 arc(31.02,63.03) 31.19,63.1 31.2,63.11 arc(31.37,63.18) 31.54,63.11 32.3,62.35 v1(32.3,54.2)